# Allegro board 8880F5-0827_6.brd (continued)
## Nets (continued)
D32109: D321.09
D32110: D321.10 SITE1.32(RXD2P)
D32111: D321.11
D32112: D321.12 SITE1.33(RXD2N)
D32113: D321.13
D32114: D321.14 SITE1.35(RXD3P)
D32115: D321.15
D32116: D321.16 SITE1.36(RXD3N)
D32201: D322.01
D32202: D322.02
D32203: D322.03
D32204: D322.04
D32205: D322.05
D32206: D322.06
D32207: D322.07
D32208: D322.08
D32209: D322.09
D32210: D322.10
D32211: D322.11
D32212: D322.12
D32213: D322.13
D32214: D322.14
D32215: D322.15
D32216: D322.16
MSDPS1_1F: DPS1.C03
MSDPS1_1GRD: DPS1.B02
MSDPS1_1GS: DPS1.A02
MSDPS1_1S: DPS1.C02
MSDPS1_2F: DPS1.C07
MSDPS1_2GRD: DPS1.B06
MSDPS1_2GS: DPS1.A06
MSDPS1_2S: DPS1.C06
MSDPS1_3F: DPS1.C13
MSDPS1_3GRD: DPS1.B12
MSDPS1_3GS: DPS1.A12
MSDPS1_3S: DPS1.C12
MSDPS1_4F: DPS1.C17
MSDPS1_4GRD: DPS1.B16
MSDPS1_4GS: DPS1.A16
MSDPS1_4S: DPS1.C16
MSDPS1_5F: DPS1.A03
MSDPS1_5GS: DPS1.B01
MSDPS1_5S: DPS1.B03
MSDPS1_6F: DPS1.A07
MSDPS1_6GS: DPS1.B05
MSDPS1_6S: DPS1.B07
MSDPS1_7F: DPS1.A13
MSDPS1_7GS: DPS1.B11
MSDPS1_7S: DPS1.B13
MSDPS1_8F: DPS1.A17
MSDPS1_8GS: DPS1.B15
MSDPS1_8S: DPS1.B17
MSDPS1_TR+: DPS1.A09
MSDPS1_TRVB-: DPS1.B09 SB1.2
MSDPS1_VB+: DPS1.C09
MSDPS2_1F: DPS2.C03
MSDPS2_1GRD: DPS2.B02
MSDPS2_1GS: DPS2.A02
MSDPS2_1S: DPS2.C02
MSDPS2_2F: DPS2.C07
MSDPS2_2GRD: DPS2.B06
MSDPS2_2GS: DPS2.A06
MSDPS2_2S: DPS2.C06
MSDPS2_3F: DPS2.C13
MSDPS2_3GRD: DPS2.B12
MSDPS2_3GS: DPS2.A12
MSDPS2_3S: DPS2.C12
MSDPS2_4F: DPS2.C17
MSDPS2_4GRD: DPS2.B16
MSDPS2_4GS: DPS2.A16
MSDPS2_4S: DPS2.C16
MSDPS2_5F: DPS2.A03
MSDPS2_5GS: DPS2.B01
MSDPS2_5S: DPS2.B03
MSDPS2_6F: DPS2.A07
MSDPS2_6GS: DPS2.B05
MSDPS2_6S: DPS2.B07
MSDPS2_7F: DPS2.A13
MSDPS2_7GS: DPS2.B11
MSDPS2_7S: DPS2.B13
MSDPS2_8F: DPS2.A17
MSDPS2_8GS: DPS2.B15
MSDPS2_8S: DPS2.B17
MSDPS2_TR+: DPS2.A09
MSDPS2_TRVB-: DPS2.B09 SB2.2
MSDPS2_VB+: DPS2.C09
MSDPS3_1F: DPS3.C03
MSDPS3_1GRD: DPS3.B02
MSDPS3_1GS: DPS3.A02
MSDPS3_1S: DPS3.C02
MSDPS3_2F: DPS3.C07
MSDPS3_2GRD: DPS3.B06
MSDPS3_2GS: DPS3.A06
MSDPS3_2S: DPS3.C06
MSDPS3_3F: DPS3.C13
MSDPS3_3GRD: DPS3.B12
MSDPS3_3GS: DPS3.A12
MSDPS3_3S: DPS3.C12
MSDPS3_4F: DPS3.C17
MSDPS3_4GRD: DPS3.B16
MSDPS3_4GS: DPS3.A16
MSDPS3_4S: DPS3.C16
MSDPS3_5F: DPS3.A03
MSDPS3_5GS: DPS3.B01
MSDPS3_5S: DPS3.B03
MSDPS3_6F: DPS3.A07
MSDPS3_6GS: DPS3.B05
MSDPS3_6S: DPS3.B07
MSDPS3_7F: DPS3.A13
MSDPS3_7GS: DPS3.B11
MSDPS3_7S: DPS3.B13
MSDPS3_8F: DPS3.A17
MSDPS3_8GS: DPS3.B15
MSDPS3_8S: DPS3.B17
MSDPS3_TR+: DPS3.A09
MSDPS3_TRVB-: DPS3.B09 SB3.2
MSDPS3_VB+: DPS3.C09
MSDPS8_1F: DPS8.C03
MSDPS8_1GRD: DPS8.B02
MSDPS8_1GS: DPS8.A02
MSDPS8_1S: DPS8.C02
MSDPS8_2F: DPS8.C07
MSDPS8_2GRD: DPS8.B06
MSDPS8_2GS: DPS8.A06
MSDPS8_2S: DPS8.C06
MSDPS8_3F: DPS8.C13
MSDPS8_3GRD: DPS8.B12
MSDPS8_3GS: DPS8.A12
MSDPS8_3S: DPS8.C12
MSDPS8_4F: DPS8.C17
MSDPS8_4GRD: DPS8.B16
MSDPS8_4GS: DPS8.A16
MSDPS8_4S: DPS8.C16
MSDPS8_5F: DPS8.A03
MSDPS8_5GS: DPS8.B01
MSDPS8_5S: DPS8.B03
MSDPS8_6F: DPS8.A07
MSDPS8_6GS: DPS8.B05
MSDPS8_6S: DPS8.B07
MSDPS8_7F: DPS8.A13
MSDPS8_7GS: DPS8.B11
MSDPS8_7S: DPS8.B13
MSDPS8_8F: DPS8.A17
MSDPS8_8GS: DPS8.B15
MSDPS8_8S: DPS8.B17
MSDPS8_TR+: DPS8.A09
MSDPS8_TRVB-: DPS8.B09 SB8.2
MSDPS8_VB+: DPS8.C09
S1_1AUX+: K9.4 R129.1
S1_1AUX-: K9.5 R130.1
S1_1SPI_CSN: K15.5 K19.6
S1_1SPI_SCK: K15.4 K19.3
S1_1SPI_SDI: K14.5 K20.6
S1_1SPI_SDO: K14.4 K20.3
S1_1TX_100DCH001+: K43.6 R7.1
S1_1TX_100DCH001-: K43.3 R8.2
S1_1TX_100DCH002+: R9.1 SITE1.75(AML1P)
S1_1TX_100DCH002-: R10.2 SITE1.76(AML1N)
S1_1TX_100DCH003+: R11.1 SITE1.79(AML2P)
S1_1TX_100DCH003-: R12.2 SITE1.80(AML2N)
S1_1TX_100DCH004+: R13.1 SITE1.81(AMLCKP)
S1_1TX_100DCH004-: R14.2 SITE1.82(AMLCKN)
S1_1TX_100DCH005+: R15.1 SITE1.83(AML3P)
S1_1TX_100DCH005-: R16.2 SITE1.84(AML3N)
S1_1TX_100DCH006+: R17.1 SITE1.85(AML4P)
S1_1TX_100DCH006-: R18.2 SITE1.86(AML4N)
S1_1TX_100DCH007+: R19.1 SITE1.87(AML5P)
S1_1TX_100DCH007-: R20.2 SITE1.88(AML5N)
S1_2AUX+: C3.1 R1.2 R3.1 R129.2
S1_2AUX-: C4.1 R2.2 R4.2 R130.2
S1_2TX_100DCH001+: R21.1 SITE1.89(BML0P)
S1_2TX_100DCH001-: R22.2 SITE1.90(BML0N)
S1_2TX_100DCH002+: R23.1 SITE1.91(BML1P)
S1_2TX_100DCH002-: R24.2 SITE1.92(BML1N)
S1_2TX_100DCH003+: R25.1 SITE1.93(BML2P)
S1_2TX_100DCH003-: R26.2 SITE1.94(BML2N)
S1_2TX_100DCH004+: R27.1 SITE1.95(BMLCKP)
S1_2TX_100DCH004-: R28.2 SITE1.96(BMLCKN)
S1_2TX_100DCH005+: R29.1 SITE1.98(BML3P)
S1_2TX_100DCH005-: R30.2 SITE1.99(BML3N)
S1_2TX_100DCH006+: R31.1 SITE1.100(BML4P)
S1_2TX_100DCH006-: R32.2 SITE1.101(BML4N)
S1_2TX_100DCH007+: R33.1 SITE1.102(BML5P)
S1_2TX_100DCH007-: R34.2 SITE1.103(BML5N)
S1_3TX_100DCH002+: R37.1 SITE1.114(CML1P)
S1_3TX_100DCH002-: R38.2 SITE1.115(CML1N)
S1_3TX_100DCH003+: R39.1 SITE1.116(CML2P)
S1_3TX_100DCH003-: R40.2 SITE1.117(CML2N)
S1_3TX_100DCH004+: R41.1 SITE1.120(CMLCKP)
S1_3TX_100DCH004-: R42.2 SITE1.121(CMLCKN)
S1_3TX_100DCH005+: R67.1 SITE1.122(CML3P)
S1_3TX_100DCH005-: R68.2 SITE1.123(CML3N)
S1_3TX_100DCH006+: R69.1 SITE1.124(CML4P)
S1_3TX_100DCH006-: R70.2 SITE1.125(CML4N)
S1_3TX_100DCH007+: R71.1 SITE1.126(CML5P)
S1_3TX_100DCH007-: R72.2 SITE1.127(CML5N)
S1_4TX_100DCH001+: R73.1 SITE1.129(DML0P)
S1_4TX_100DCH001-: R74.2 SITE1.130(DML0N)
S1_4TX_100DCH002+: R75.1 SITE1.131(DML1P)
S1_4TX_100DCH002-: R76.2 SITE1.132(DML1N)
S1_4TX_100DCH003+: R77.1 SITE1.133(DML2P)
S1_4TX_100DCH003-: R78.2 SITE1.134(DML2N)
S1_4TX_100DCH004+: R79.1 SITE1.135(DMLCKP)
S1_4TX_100DCH004-: R80.2 SITE1.136(DMLCKN)
S1_4TX_100DCH005+: R43.1 SITE1.137(DML3P)
S1_4TX_100DCH005-: R44.2 SITE1.138(DML3N)
S1_4TX_100DCH006+: R63.1 SITE1.140(DML4P)
S1_4TX_100DCH006-: R64.2 SITE1.141(DML4N)
S1_4TX_100DCH007+: R100.1 SITE1.142(DML5P)
S1_4TX_100DCH007-: R101.2 SITE1.143(DML5N)
S1_AUX_100DCH001+: K9.2
S1_AUX_100DCH001-: K9.7
S1_AUX_100DCH002+: C3.2
S1_AUX_100DCH002-: C4.2
S1_AUXCH+: K9.3 K12.3 SITE1.21(AUXCHP)
S1_AUXCH-: K9.6 K12.6 SITE1.20(AUXCHN)
S1_AVDD11_RX: CA9.1 CA10.1 CC13.1 CD9.1 K37.9 SH10.1 SITE1.31(AVDD11_RX) TP_AVDD11_RX.1(TP)
S1_AVDD11_XTAL: CA32.1 CA33.1 CC26.1 CD16.1 K31.4 SH23.1 SITE1.105(AVDD11_XTAL) TP_AVDD11_XTAL.1(TP)
S1_AVDD18_RX: CA7.1 CA8.1 CC11.1 CD8.1 K37.4 SH7.1 SITE1.25(AVDD18_RX) TP_AVDD18_RX.1(TP)
S1_DCH041: SITE1.159(STV2)
S1_DCH042: SITE1.160(STV1)
S1_DCH043: SITE1.161(POL)
S1_DCH044: SITE1.163(TP1)
S1_DCH045: SITE1.164(DC_EN)
S1_DCH046: SITE1.165(H2POL)
S1_DCH047: SITE1.166(SQINV)
S1_DCH048: K18.7
S1_DCH049: K18.2
S1_DPS_F_001: CA19.1 CA20.1 R1.1 R4.1 SH20.1 TP_AUXVCC.1(TP)
S1_DPS_F_002: CA1.1 CA2.1 CC1.1 CC2.1 CD1.1 K34.4 SH1.1 SITE1.3(VDDA_33_LV) TP_VDDA_33_LV.1(TP)
S1_DPS_F_003: CA3.1 CA4.1 CC4.1 CC30.1 CC31.1 CC32.1 CC33.1 CC34.1 CC35.1 CC42.1 CD3.1 CD17.1 CD18.1 CD19.1 CD20.1 CD21.1 CD22.1 K34.9 R85.1 SH3.1 SITE1.17(VDD_IO_33-1) SITE1.37(VDD_IO_33-2) SITE1.63(VDD_IO_33-3) SITE1.71(VDD_IO_33-4) SITE1.107(VDD_IO_33-5) SITE1.145(VDD_IO_33-6) SITE1.162(VDD_IO_33-7) TP_VDD_IO_33.1(TP)
S1_DPS_F_006: CA17.1 CA18.1 CC25.1 CC40.1 CD15.1 K42.4 SH18.1 SITE1.72(VDD_TXREG_33_B) TP_VDD_TXREG_33_B.1(TP)
S1_DPS_F_007: CA11.1 CA12.1 CC15.1 CC16.1 CC27.1 CC28.1 CD10.1 CD11.1 K39.4 SH12.1 SITE1.78(VDDTXPST_11_B-1) SITE1.97(VDDTXPST_11_B-2) TP_VDDTXPST_11_B.1(TP)
S1_DPS_F_009: CA13.1 CA14.1 CC19.1 CC20.1 CD13.1 K40.4 SH14.1 SITE1.106(PLL_M_VDD33) TP_PLL_M_VDD33.1(TP)
S1_DPS_F_010: CA15.1 CA16.1 CC22.1 CC23.1 CD14.1 K40.9 SH16.1 SITE1.111(PLL_TX_VDD33) TP_PLL_TX_VDD33.1(TP)
S1_DPS_F_011: CA35.1 CA36.1 CC17.1 CC29.1 CC37.1 CC38.1 CD12.1 CD24.1 K39.9 SH25.1 SITE1.119(VDDTXPST_11_T-1) SITE1.139(VDDTXPST_11_T-2) TP_VDDTXPST_11_T.1(TP)
S1_DPS_F_012: CA38.1 CA39.1 CC39.1 CC41.1 CD25.1 K42.9 SH27.1 SITE1.144(VDD_TXREG_33_T) TP_VDD_TXREG_33_T.1(TP)
S1_DPS_F_013: C8.1 C9.1 CA30.1 CA31.1 R82.2 R83.1 R84.1 R87.2 R88.2 R89.2 R90.2 R91.2 R92.2 R94.2 R95.2 R96.2 R97.2 R98.2 R99.2 R119.1 R120.1 SH22.1 TP_VCC3V3.1(TP) U1.8(VCC) U2.8(VCC)
S1_DPS_FS_001: SH20.2
S1_DPS_FS_002: SH1.2
S1_DPS_FS_003: SH3.2
S1_DPS_FS_004: SH7.2
S1_DPS_FS_005: SH10.2
S1_DPS_FS_006: SH18.2
S1_DPS_FS_007: SH12.2
S1_DPS_FS_008: SH23.2
S1_DPS_FS_009: SH14.2
S1_DPS_FS_010: SH16.2
S1_DPS_FS_011: SH25.2
S1_DPS_FS_012: SH27.2
S1_DPS_FS_013: SH22.2
S1_DPS_GS_001: SH19.2
S1_DPS_GS_002: SH2.2
S1_DPS_GS_003: SH4.2
S1_DPS_GS_004: SH8.2
S1_DPS_GS_005: SH9.2
S1_DPS_GS_006: SH17.2
S1_DPS_GS_007: SH11.2
S1_DPS_GS_008: SH24.2
S1_DPS_GS_009: SH13.2
S1_DPS_GS_010: SH15.2
S1_DPS_GS_011: SH26.2
S1_DPS_GS_012: SH28.2
S1_DPS_GS_013: SH21.2
S1_ISP00+: K43.7 SITE1.73(AML0P)
S1_ISP00-: K43.2 SITE1.74(AML0N)
S1_ISP14+: K43.5 SITE1.112(CML0P)
S1_ISP14-: K43.4 SITE1.113(CML0N)
S1_ISP_1LOCK: K33.3 R118.2
S1_M_DPS_F_001: CA5.1 CA6.1 CC6.1 CC7.1 CC8.1 CC9.1 CC36.1 CD4.1 CD5.1 CD6.1 CD7.1 CD23.1 K36.4 K36.9 SH5.1 SITE1.22(VDDC_11-1) SITE1.39(VDDC_11-2) SITE1.64(VDDC_11-3) SITE1.104(VDDC_11-4) SITE1.147(VDDC_11-5) TP_VDDC_11.1(TP)
S1_M_DPS_FS_001: SH5.2
S1_M_DPS_GS_001: SH6.2
S1_PS9G_DCH001: SITE1.18(TEST)
S1_PS9G_DCH002: K10.3 S1_RST_N.1 SITE1.19(RESET_N)
S1_PS9G_DCH003: SITE1.24(HPD)
S1_PS9G_DCH004: SITE1.40(AGEN)
S1_PS9G_DCH005: SITE1.45(STV_IN)
S1_PS9G_DCH006: SITE1.46(EIO1)
S1_PS9G_DCH007: SITE1.47(EIO2)
S1_PS9G_DCH009: SITE1.49(PWMI)
S1_PS9G_DCH010: J4.2 K28.3 S1_I2C.1 SITE1.50(I2C_SCL)
S1_PS9G_DCH011: J5.2 K28.6 S1_I2C.2 SITE1.51(I2C_SDA)
S1_PS9G_DCH014: SITE1.54(LED_SPI_SIN_A)
S1_PS9G_DCH015: SITE1.55(LED_SPI_SCLK_A)
S1_PS9G_DCH022: SITE1.65(LED_SPI_SO_A)
S1_PS9G_DCH023: SITE1.66(LED_SPI_SO_B)
S1_PS9G_DCH027: SITE1.70(OSD_SPI_SDO)
S1_PS9G_DCH028: SITE1.77(NC_VDDTX_11_B)
S1_PS9G_DCH029: SITE1.118(NC_VDDTX_11_T)
S1_PS9G_DCH030: R118.1 SITE1.148(ISP_LOCK)
S1_PS9G_DCH035: SITE1.153(CLK6)
S1_PS9G_DCH036: SITE1.154(CLK5)
S1_PS9G_DCH037: SITE1.155(CLK4)
S1_PS9G_DCH038: SITE1.156(CLK3)
S1_PS9G_DCH039: SITE1.157(CLK2)
S1_PS9G_DCH040: SITE1.158(CLK1)
S1_RLY_001: K1.8(V-) K2.8(V-)
S1_RLY_003: K3.8(V-) K4.8(V-)
S1_RLY_005: K5.8(V-) K6.8(V-)
S1_RLY_007: K7.8(V-)
S1_RLY_008: K8.8(V-) K11.8(V-)
S1_RLY_009: K9.8(V-)
S1_RLY_010: K10.8(V-)
S1_RLY_012: K12.8(V-)
S1_RLY_013: K13.8(V-)
S1_RLY_014: K14.8(V-)
S1_RLY_015: K15.8(V-)
S1_RLY_016: K16.8(V-) K17.8(V-)
S1_RLY_018: K18.8(V-)
S1_RLY_019: K19.8(V-)
S1_RLY_020: K20.8(V-)
S1_RLY_021: K21.8(V-) K29.8(V-)
S1_RLY_022: K22.8(V-) K24.8(V-)
S1_RLY_023: K23.8(V-)
S1_RLY_025: K25.8(V-) K27.8(V-)
S1_RLY_026: K26.8(V-)
S1_RLY_028: K28.8(V-)
S1_RLY_030: K30.8(V-)
S1_RLY_031: K31.12(V-)
S1_RLY_033: K33.8(V-)
S1_RLY_034: K34.12(V-)
S1_RLY_036: K36.12(V-)
S1_RLY_037: K37.12(V-)
S1_RLY_039: K39.12(V-)
S1_RLY_040: K40.12(V-)
S1_RLY_042: K42.12(V-)
S1_RLY_043: K43.8(V-)
S1_SCAN_DCH008: SITE1.48(FAIL_FLAG_O)
S1_SCAN_DCH012: SITE1.52(LED_SPI_BLANK_A)
S1_SCAN_DCH013: SITE1.53(LED_SPI_GSCLK_A)
S1_SCAN_DCH016: SITE1.56(LED_SPI_XLAT_A)
S1_SCAN_DCH017: SITE1.57(LED_SPI_BLANK_B)
S1_SCAN_DCH018: SITE1.58(LED_SPI_GSCLK_B)
S1_SCAN_DCH019: SITE1.59(LED_SPI_SIN_B)
S1_SCAN_DCH020: SITE1.60(LED_SPI_SCLK_B)
S1_SCAN_DCH021: SITE1.61(LED_SPI_XLAT_B)
S1_SCAN_DCH024: K13.3 SITE1.67(OSD_SPI_SCK_I2CCLK)
S1_SCAN_DCH025: K13.6 SITE1.68(OSD_SPI_SDI_I2CDAT)
S1_SCAN_DCH026: SITE1.69(OSD_SPI_CSN)
S1_SCAN_DCH031: SITE1.149(OE2)
S1_SCAN_DCH032: SITE1.150(OE1)
S1_SCAN_DCH033: SITE1.151(CLK8)
S1_SCAN_DCH034: SITE1.152(CLK7)
S1_SCAN_DCH050: K15.2
S1_SCAN_DCH051: K15.7
S1_SCAN_DCH052: K14.2
S1_SCAN_DCH053: K14.7
S1_SPI_1_CSN: K19.7 R87.1 U1.1(CS#)
S1_SPI_1_SCK: K19.2 R91.1 U1.6(SCLK)
S1_SPI_1_SDI: K20.7 R127.1
S1_SPI_1_SDO: K20.2 R125.1
S1_SPI_2_CSN: K19.5 R94.1 U2.1(CS#)
S1_SPI_2_SCK: K19.4 R98.1 U2.6(SCLK)
S1_SPI_2_SDI: K20.5 R128.1
S1_SPI_2_SDO: K20.4 R126.1
S1_SPI_11_SDI: R88.1 R127.2 U1.2(SO)
S1_SPI_11_SDO: R92.1 R125.2 U1.5(SI)
S1_SPI_22_SDI: R95.1 R128.2 U2.2(SO)
S1_SPI_22_SDO: R99.1 R126.2 U2.5(SI)
S1_SPI_CSN: K15.6 SITE1.43(SPI_CSN)
S1_SPI_SCK: K15.3 SITE1.42(SPI_SCK)
S1_SPI_SDI: K14.6 SITE1.44(SPI_SDI)
S1_SPI_SDO: K14.3 SITE1.41(SPI_SDO)
S1_XTAL_IN: K18.3 SITE1.109(XTAL_IN) TP_XTAL_IN.1(TP)
S1_XTAL_OUT: K18.6 SITE1.110(XTAL_OUT) TP_XTAL_OUT.1(TP)
S2_1AUX+: UNK2K9.4 UNK2R129.1
S2_1AUX-: UNK2K9.5 UNK2R130.1
S2_1SPI_CSN: UNK2K15.5 UNK2K19.6
S2_1SPI_SCK: UNK2K15.4 UNK2K19.3
S2_1SPI_SDI: UNK2K14.5 UNK2K20.6
S2_1SPI_SDO: UNK2K14.4 UNK2K20.3
S2_1TX_100DCH001+: UNK2K43.6 UNK2R7.1
S2_1TX_100DCH001-: UNK2K43.3 UNK2R8.2
S2_1TX_100DCH002+: SITE2.75(AML1P) UNK2R9.1
S2_1TX_100DCH002-: SITE2.76(AML1N) UNK2R10.2
S2_1TX_100DCH003+: SITE2.79(AML2P) UNK2R11.1
S2_1TX_100DCH003-: SITE2.80(AML2N) UNK2R12.2
S2_1TX_100DCH004+: SITE2.81(AMLCKP) UNK2R13.1
S2_1TX_100DCH004-: SITE2.82(AMLCKN) UNK2R14.2
S2_1TX_100DCH005+: SITE2.83(AML3P) UNK2R15.1
S2_1TX_100DCH005-: SITE2.84(AML3N) UNK2R16.2
S2_1TX_100DCH006+: SITE2.85(AML4P) UNK2R17.1
S2_1TX_100DCH006-: SITE2.86(AML4N) UNK2R18.2
S2_1TX_100DCH007+: SITE2.87(AML5P) UNK2R19.1
S2_1TX_100DCH007-: SITE2.88(AML5N) UNK2R20.2
S2_2AUX+: UNK2C3.1 UNK2R1.2 UNK2R3.1 UNK2R129.2
S2_2AUX-: UNK2C4.1 UNK2R2.2 UNK2R4.2 UNK2R130.2
S2_2TX_100DCH001+: SITE2.89(BML0P) UNK2R21.1
S2_2TX_100DCH001-: SITE2.90(BML0N) UNK2R22.2
S2_2TX_100DCH002+: SITE2.91(BML1P) UNK2R23.1
S2_2TX_100DCH002-: SITE2.92(BML1N) UNK2R24.2
S2_2TX_100DCH003+: SITE2.93(BML2P) UNK2R25.1
S2_2TX_100DCH003-: SITE2.94(BML2N) UNK2R26.2
S2_2TX_100DCH004+: SITE2.95(BMLCKP) UNK2R27.1
S2_2TX_100DCH004-: SITE2.96(BMLCKN) UNK2R28.2
S2_2TX_100DCH005+: SITE2.98(BML3P) UNK2R29.1
S2_2TX_100DCH005-: SITE2.99(BML3N) UNK2R30.2
S2_2TX_100DCH006+: SITE2.100(BML4P) UNK2R31.1
S2_2TX_100DCH006-: SITE2.101(BML4N) UNK2R32.2
S2_2TX_100DCH007+: SITE2.102(BML5P) UNK2R33.1
S2_2TX_100DCH007-: SITE2.103(BML5N) UNK2R34.2
S2_3TX_100DCH002+: SITE2.114(CML1P) UNK2R37.1
S2_3TX_100DCH002-: SITE2.115(CML1N) UNK2R38.2
S2_3TX_100DCH003+: SITE2.116(CML2P) UNK2R39.1
S2_3TX_100DCH003-: SITE2.117(CML2N) UNK2R40.2
S2_3TX_100DCH004+: SITE2.120(CMLCKP) UNK2R41.1
S2_3TX_100DCH004-: SITE2.121(CMLCKN) UNK2R42.2
S2_3TX_100DCH005+: SITE2.122(CML3P) UNK2R67.1
S2_3TX_100DCH005-: SITE2.123(CML3N) UNK2R68.2
S2_3TX_100DCH006+: SITE2.124(CML4P) UNK2R69.1
S2_3TX_100DCH006-: SITE2.125(CML4N) UNK2R70.2
S2_3TX_100DCH007+: SITE2.126(CML5P) UNK2R71.1
S2_3TX_100DCH007-: SITE2.127(CML5N) UNK2R72.2
S2_4TX_100DCH001+: SITE2.129(DML0P) UNK2R73.1
S2_4TX_100DCH001-: SITE2.130(DML0N) UNK2R74.2
S2_4TX_100DCH002+: SITE2.131(DML1P) UNK2R75.1
S2_4TX_100DCH002-: SITE2.132(DML1N) UNK2R76.2
S2_4TX_100DCH003+: SITE2.133(DML2P) UNK2R77.1
S2_4TX_100DCH003-: SITE2.134(DML2N) UNK2R78.2
S2_4TX_100DCH004+: SITE2.135(DMLCKP) UNK2R79.1
S2_4TX_100DCH004-: SITE2.136(DMLCKN) UNK2R80.2
S2_4TX_100DCH005+: SITE2.137(DML3P) UNK2R43.1
S2_4TX_100DCH005-: SITE2.138(DML3N) UNK2R44.2
S2_4TX_100DCH006+: SITE2.140(DML4P) UNK2R63.1
S2_4TX_100DCH006-: SITE2.141(DML4N) UNK2R64.2
S2_4TX_100DCH007+: SITE2.142(DML5P) UNK2R100.1
S2_4TX_100DCH007-: SITE2.143(DML5N) UNK2R101.2
S2_AUX_100DCH001+: UNK2K9.2
S2_AUX_100DCH001-: UNK2K9.7
S2_AUX_100DCH002+: UNK2C3.2
S2_AUX_100DCH002-: UNK2C4.2
S2_AUXCH+: SITE2.21(AUXCHP) UNK2K9.3 UNK2K12.3
S2_AUXCH-: SITE2.20(AUXCHN) UNK2K9.6 UNK2K12.6
S2_AVDD11_RX: SITE2.31(AVDD11_RX) UNK2CA9.1 UNK2CA10.1 UNK2CC13.1 UNK2CD9.1 UNK2K37.9 UNK2SH10.1 UNK2TP_AVDD11_RX.1
S2_AVDD11_XTAL: SITE2.105(AVDD11_XTAL) UNK2CA32.1 UNK2CA33.1 UNK2CC26.1 UNK2CD16.1 UNK2K31.4 UNK2SH23.1 UNK2TP_AVDD11_XTAL.1
S2_AVDD18_RX: SITE2.25(AVDD18_RX) UNK2CA7.1 UNK2CA8.1 UNK2CC11.1 UNK2CD8.1 UNK2K37.4 UNK2SH7.1 UNK2TP_AVDD18_RX.1
S2_DCH041: SITE2.159(STV2)
S2_DCH042: SITE2.160(STV1)
S2_DCH043: SITE2.161(POL)
S2_DCH044: SITE2.163(TP1)
S2_DCH045: SITE2.164(DC_EN)
S2_DCH046: SITE2.165(H2POL)
S2_DCH047: SITE2.166(SQINV)
S2_DCH048: UNK2K18.7
S2_DCH049: UNK2K18.2
S2_DPS_F_001: UNK2CA19.1 UNK2CA20.1 UNK2R1.1 UNK2R4.1 UNK2SH20.1 UNK2TP_AUXVCC.1
S2_DPS_F_002: SITE2.3(VDDA_33_LV) UNK2CA1.1 UNK2CA2.1 UNK2CC1.1 UNK2CC2.1 UNK2CD1.1 UNK2K34.4 UNK2SH1.1 UNK2TP_VDDA_33_LV.1
S2_DPS_F_003: SITE2.17(VDD_IO_33-1) SITE2.37(VDD_IO_33-2) SITE2.63(VDD_IO_33-3) SITE2.71(VDD_IO_33-4) SITE2.107(VDD_IO_33-5) SITE2.145(VDD_IO_33-6) SITE2.162(VDD_IO_33-7) UNK2CA3.1 UNK2CA4.1 UNK2CC4.1 UNK2CC30.1 UNK2CC31.1 UNK2CC32.1 UNK2CC33.1 UNK2CC34.1 UNK2CC35.1 UNK2CC42.1 UNK2CD3.1 UNK2CD17.1 UNK2CD18.1 UNK2CD19.1 UNK2CD20.1 UNK2CD21.1 UNK2CD22.1 UNK2K34.9 UNK2R85.1 UNK2SH3.1 UNK2TP_VDD_IO_33.1
S2_DPS_F_006: SITE2.72(VDD_TXREG_33_B) UNK2CA17.1 UNK2CA18.1 UNK2CC25.1 UNK2CC40.1 UNK2CD15.1 UNK2K42.4 UNK2SH18.1 UNK2TP_VDD_TXREG_33_B.1
S2_DPS_F_007: SITE2.78(VDDTXPST_11_B-1) SITE2.97(VDDTXPST_11_B-2) UNK2CA11.1 UNK2CA12.1 UNK2CC15.1 UNK2CC16.1 UNK2CC27.1 UNK2CC28.1 UNK2CD10.1 UNK2CD11.1 UNK2K39.4 UNK2SH12.1 UNK2TP_VDDTXPST_11_B.1
S2_DPS_F_009: SITE2.106(PLL_M_VDD33) UNK2CA13.1 UNK2CA14.1 UNK2CC19.1 UNK2CC20.1 UNK2CD13.1 UNK2K40.4 UNK2SH14.1 UNK2TP_PLL_M_VDD33.1
S2_DPS_F_010: SITE2.111(PLL_TX_VDD33) UNK2CA15.1 UNK2CA16.1 UNK2CC22.1 UNK2CC23.1 UNK2CD14.1 UNK2K40.9 UNK2SH16.1 UNK2TP_PLL_TX_VDD33.1
S2_DPS_F_011: SITE2.119(VDDTXPST_11_T-1) SITE2.139(VDDTXPST_11_T-2) UNK2CA35.1 UNK2CA36.1 UNK2CC17.1 UNK2CC29.1 UNK2CC37.1 UNK2CC38.1 UNK2CD12.1 UNK2CD24.1 UNK2K39.9 UNK2SH25.1 UNK2TP_VDDTXPST_11_T.1
S2_DPS_F_012: SITE2.144(VDD_TXREG_33_T) UNK2CA38.1 UNK2CA39.1 UNK2CC39.1 UNK2CC41.1 UNK2CD25.1 UNK2K42.9 UNK2SH27.1 UNK2TP_VDD_TXREG_33_T.1
S2_DPS_F_013: UNK2C8.1 UNK2C9.1 UNK2CA30.1 UNK2CA31.1 UNK2R82.2 UNK2R83.1 UNK2R84.1 UNK2R87.2 UNK2R88.2 UNK2R89.2 UNK2R90.2 UNK2R91.2 UNK2R92.2 UNK2R94.2 UNK2R95.2 UNK2R96.2 UNK2R97.2 UNK2R98.2 UNK2R99.2 UNK2R119.1 UNK2R120.1 UNK2SH22.1 UNK2TP_VCC3V3.1 UNK2U1.8 UNK2U2.8
S2_DPS_FS_001: UNK2SH20.2
S2_DPS_FS_002: UNK2SH1.2
S2_DPS_FS_003: UNK2SH3.2
S2_DPS_FS_004: UNK2SH7.2
S2_DPS_FS_005: UNK2SH10.2
S2_DPS_FS_006: UNK2SH18.2
S2_DPS_FS_007: UNK2SH12.2
S2_DPS_FS_008: UNK2SH23.2
S2_DPS_FS_009: UNK2SH14.2
S2_DPS_FS_010: UNK2SH16.2
S2_DPS_FS_011: UNK2SH25.2
S2_DPS_FS_012: UNK2SH27.2
S2_DPS_FS_013: UNK2SH22.2
S2_DPS_GS_001: UNK2SH19.2
S2_DPS_GS_002: UNK2SH2.2
S2_DPS_GS_003: UNK2SH4.2
S2_DPS_GS_004: UNK2SH8.2
S2_DPS_GS_005: UNK2SH9.2
S2_DPS_GS_006: UNK2SH17.2
S2_DPS_GS_007: UNK2SH11.2
S2_DPS_GS_008: UNK2SH24.2
S2_DPS_GS_009: UNK2SH13.2
S2_DPS_GS_010: UNK2SH15.2
S2_DPS_GS_011: UNK2SH26.2
S2_DPS_GS_012: UNK2SH28.2
S2_DPS_GS_013: UNK2SH21.2
S2_ISP00+: SITE2.73(AML0P) UNK2K43.7
S2_ISP00-: SITE2.74(AML0N) UNK2K43.2
S2_ISP14+: SITE2.112(CML0P) UNK2K43.5
S2_ISP14-: SITE2.113(CML0N) UNK2K43.4
S2_ISP_1LOCK: UNK2K33.3 UNK2R118.2
S2_M_DPS_F_001: SITE2.22(VDDC_11-1) SITE2.39(VDDC_11-2) SITE2.64(VDDC_11-3) SITE2.104(VDDC_11-4) SITE2.147(VDDC_11-5) UNK2CA5.1 UNK2CA6.1 UNK2CC6.1 UNK2CC7.1 UNK2CC8.1 UNK2CC9.1 UNK2CC36.1 UNK2CD4.1 UNK2CD5.1 UNK2CD6.1 UNK2CD7.1 UNK2CD23.1 UNK2K36.4 UNK2K36.9 UNK2SH5.1 UNK2TP_VDDC_11.1
S2_M_DPS_FS_001: UNK2SH5.2
S2_M_DPS_GS_001: UNK2SH6.2
S2_PS9G_DCH001: SITE2.18(TEST)
S2_PS9G_DCH002: S2_RST_N.1 SITE2.19(RESET_N) UNK2K10.3
S2_PS9G_DCH003: SITE2.24(HPD)
S2_PS9G_DCH004: SITE2.40(AGEN)
S2_PS9G_DCH005: SITE2.45(STV_IN)
S2_PS9G_DCH006: SITE2.46(EIO1)
S2_PS9G_DCH007: SITE2.47(EIO2)
S2_PS9G_DCH009: SITE2.49(PWMI)
S2_PS9G_DCH010: S2_I2C.1 SITE2.50(I2C_SCL) UNK2J4.2 UNK2K28.3
S2_PS9G_DCH011: S2_I2C.2 SITE2.51(I2C_SDA) UNK2J5.2 UNK2K28.6
S2_PS9G_DCH014: SITE2.54(LED_SPI_SIN_A)
S2_PS9G_DCH015: SITE2.55(LED_SPI_SCLK_A)
S2_PS9G_DCH022: SITE2.65(LED_SPI_SO_A)
S2_PS9G_DCH023: SITE2.66(LED_SPI_SO_B)
S2_PS9G_DCH027: SITE2.70(OSD_SPI_SDO)
S2_PS9G_DCH028: SITE2.77(NC_VDDTX_11_B)
S2_PS9G_DCH029: SITE2.118(NC_VDDTX_11_T)
S2_PS9G_DCH030: SITE2.148(ISP_LOCK) UNK2R118.1
S2_PS9G_DCH035: SITE2.153(CLK6)
S2_PS9G_DCH036: SITE2.154(CLK5)
S2_PS9G_DCH037: SITE2.155(CLK4)
S2_PS9G_DCH038: SITE2.156(CLK3)
S2_PS9G_DCH039: SITE2.157(CLK2)
S2_PS9G_DCH040: SITE2.158(CLK1)
S2_RLY_001: UNK2K1.8 UNK2K2.8
S2_RLY_003: UNK2K3.8 UNK2K4.8
S2_RLY_005: UNK2K5.8 UNK2K6.8
S2_RLY_007: UNK2K7.8
S2_RLY_008: UNK2K8.8 UNK2K11.8
S2_RLY_009: UNK2K9.8
S2_RLY_010: UNK2K10.8
S2_RLY_012: UNK2K12.8
S2_RLY_013: UNK2K13.8
S2_RLY_014: UNK2K14.8
S2_RLY_015: UNK2K15.8
S2_RLY_016: UNK2K16.8 UNK2K17.8
S2_RLY_018: UNK2K18.8
S2_RLY_019: UNK2K19.8
S2_RLY_020: UNK2K20.8
S2_RLY_021: UNK2K21.8 UNK2K29.8
S2_RLY_022: UNK2K22.8 UNK2K24.8
S2_RLY_023: UNK2K23.8
S2_RLY_025: UNK2K25.8 UNK2K27.8
S2_RLY_026: UNK2K26.8
S2_RLY_028: UNK2K28.8
S2_RLY_030: UNK2K30.8
S2_RLY_031: UNK2K31.12
S2_RLY_033: UNK2K33.8
S2_RLY_034: UNK2K34.12
S2_RLY_036: UNK2K36.12
S2_RLY_037: UNK2K37.12
S2_RLY_039: UNK2K39.12
S2_RLY_040: UNK2K40.12
S2_RLY_042: UNK2K42.12
S2_RLY_043: UNK2K43.8
S2_SCAN_DCH008: SITE2.48(FAIL_FLAG_O)
S2_SCAN_DCH012: SITE2.52(LED_SPI_BLANK_A)
S2_SCAN_DCH013: SITE2.53(LED_SPI_GSCLK_A)
S2_SCAN_DCH016: SITE2.56(LED_SPI_XLAT_A)
S2_SCAN_DCH017: SITE2.57(LED_SPI_BLANK_B)
S2_SCAN_DCH018: SITE2.58(LED_SPI_GSCLK_B)
S2_SCAN_DCH019: SITE2.59(LED_SPI_SIN_B)
S2_SCAN_DCH020: SITE2.60(LED_SPI_SCLK_B)
S2_SCAN_DCH021: SITE2.61(LED_SPI_XLAT_B)
S2_SCAN_DCH024: SITE2.67(OSD_SPI_SCK_I2CCLK) UNK2K13.3
S2_SCAN_DCH025: SITE2.68(OSD_SPI_SDI_I2CDAT) UNK2K13.6
S2_SCAN_DCH026: SITE2.69(OSD_SPI_CSN)
S2_SCAN_DCH031: SITE2.149(OE2)
S2_SCAN_DCH032: SITE2.150(OE1)
S2_SCAN_DCH033: SITE2.151(CLK8)
S2_SCAN_DCH034: SITE2.152(CLK7)
S2_SCAN_DCH050: UNK2K15.2
S2_SCAN_DCH051: UNK2K15.7
S2_SCAN_DCH052: UNK2K14.2
S2_SCAN_DCH053: UNK2K14.7
S2_SPI_1_CSN: UNK2K19.7 UNK2R87.1 UNK2U1.1
S2_SPI_1_SCK: UNK2K19.2 UNK2R91.1 UNK2U1.6
S2_SPI_1_SDI: UNK2K20.7 UNK2R127.1
S2_SPI_1_SDO: UNK2K20.2 UNK2R125.1
S2_SPI_2_CSN: UNK2K19.5 UNK2R94.1 UNK2U2.1
S2_SPI_2_SCK: UNK2K19.4 UNK2R98.1 UNK2U2.6
S2_SPI_2_SDI: UNK2K20.5 UNK2R128.1
S2_SPI_2_SDO: UNK2K20.4 UNK2R126.1
S2_SPI_11_SDI: UNK2R88.1 UNK2R127.2 UNK2U1.2
S2_SPI_11_SDO: UNK2R92.1 UNK2R125.2 UNK2U1.5
S2_SPI_22_SDI: UNK2R95.1 UNK2R128.2 UNK2U2.2
S2_SPI_22_SDO: UNK2R99.1 UNK2R126.2 UNK2U2.5
S2_SPI_CSN: SITE2.43(SPI_CSN) UNK2K15.6
S2_SPI_SCK: SITE2.42(SPI_SCK) UNK2K15.3
S2_SPI_SDI: SITE2.44(SPI_SDI) UNK2K14.6
S2_SPI_SDO: SITE2.41(SPI_SDO) UNK2K14.3
S2_XTAL_IN: SITE2.109(XTAL_IN) UNK2K18.3 UNK2TP_XTAL_IN.1
S2_XTAL_OUT: SITE2.110(XTAL_OUT) UNK2K18.6 UNK2TP_XTAL_OUT.1
S3_1AUX+: UNK3K9.4 UNK3R129.1
S3_1AUX-: UNK3K9.5 UNK3R130.1
S3_1SPI_CSN: UNK3K15.5 UNK3K19.6
S3_1SPI_SCK: UNK3K15.4 UNK3K19.3
S3_1SPI_SDI: UNK3K14.5 UNK3K20.6
S3_1SPI_SDO: UNK3K14.4 UNK3K20.3
S3_1TX_100DCH001+: UNK3K43.6 UNK3R7.1
S3_1TX_100DCH001-: UNK3K43.3 UNK3R8.2
S3_1TX_100DCH002+: SITE3.75(AML1P) UNK3R9.1
S3_1TX_100DCH002-: SITE3.76(AML1N) UNK3R10.2
S3_1TX_100DCH003+: SITE3.79(AML2P) UNK3R11.1
S3_1TX_100DCH003-: SITE3.80(AML2N) UNK3R12.2
S3_1TX_100DCH004+: SITE3.81(AMLCKP) UNK3R13.1
S3_1TX_100DCH004-: SITE3.82(AMLCKN) UNK3R14.2
S3_1TX_100DCH005+: SITE3.83(AML3P) UNK3R15.1
S3_1TX_100DCH005-: SITE3.84(AML3N) UNK3R16.2
S3_1TX_100DCH006+: SITE3.85(AML4P) UNK3R17.1
S3_1TX_100DCH006-: SITE3.86(AML4N) UNK3R18.2
S3_1TX_100DCH007+: SITE3.87(AML5P) UNK3R19.1
S3_1TX_100DCH007-: SITE3.88(AML5N) UNK3R20.2
S3_2AUX+: UNK3C3.1 UNK3R1.2 UNK3R3.1 UNK3R129.2
S3_2AUX-: UNK3C4.1 UNK3R2.2 UNK3R4.2 UNK3R130.2
S3_2TX_100DCH001+: SITE3.89(BML0P) UNK3R21.1
S3_2TX_100DCH001-: SITE3.90(BML0N) UNK3R22.2
S3_2TX_100DCH002+: SITE3.91(BML1P) UNK3R23.1
S3_2TX_100DCH002-: SITE3.92(BML1N) UNK3R24.2
S3_2TX_100DCH003+: SITE3.93(BML2P) UNK3R25.1
S3_2TX_100DCH003-: SITE3.94(BML2N) UNK3R26.2
S3_2TX_100DCH004+: SITE3.95(BMLCKP) UNK3R27.1
S3_2TX_100DCH004-: SITE3.96(BMLCKN) UNK3R28.2
S3_2TX_100DCH005+: SITE3.98(BML3P) UNK3R29.1
S3_2TX_100DCH005-: SITE3.99(BML3N) UNK3R30.2
S3_2TX_100DCH006+: SITE3.100(BML4P) UNK3R31.1
S3_2TX_100DCH006-: SITE3.101(BML4N) UNK3R32.2
S3_2TX_100DCH007+: SITE3.102(BML5P) UNK3R33.1
S3_2TX_100DCH007-: SITE3.103(BML5N) UNK3R34.2
S3_3TX_100DCH002+: SITE3.114(CML1P) UNK3R37.1
S3_3TX_100DCH002-: SITE3.115(CML1N) UNK3R38.2
S3_3TX_100DCH003+: SITE3.116(CML2P) UNK3R39.1
S3_3TX_100DCH003-: SITE3.117(CML2N) UNK3R40.2
S3_3TX_100DCH004+: SITE3.120(CMLCKP) UNK3R41.1
S3_3TX_100DCH004-: SITE3.121(CMLCKN) UNK3R42.2
S3_3TX_100DCH005+: SITE3.122(CML3P) UNK3R67.1
S3_3TX_100DCH005-: SITE3.123(CML3N) UNK3R68.2
S3_3TX_100DCH006+: SITE3.124(CML4P) UNK3R69.1
S3_3TX_100DCH006-: SITE3.125(CML4N) UNK3R70.2
S3_3TX_100DCH007+: SITE3.126(CML5P) UNK3R71.1
S3_3TX_100DCH007-: SITE3.127(CML5N) UNK3R72.2
S3_4TX_100DCH001+: SITE3.129(DML0P) UNK3R73.1
S3_4TX_100DCH001-: SITE3.130(DML0N) UNK3R74.2
S3_4TX_100DCH002+: SITE3.131(DML1P) UNK3R75.1
S3_4TX_100DCH002-: SITE3.132(DML1N) UNK3R76.2
S3_4TX_100DCH003+: SITE3.133(DML2P) UNK3R77.1
S3_4TX_100DCH003-: SITE3.134(DML2N) UNK3R78.2
S3_4TX_100DCH004+: SITE3.135(DMLCKP) UNK3R79.1
S3_4TX_100DCH004-: SITE3.136(DMLCKN) UNK3R80.2
S3_4TX_100DCH005+: SITE3.137(DML3P) UNK3R43.1
S3_4TX_100DCH005-: SITE3.138(DML3N) UNK3R44.2
S3_4TX_100DCH006+: SITE3.140(DML4P) UNK3R63.1
S3_4TX_100DCH006-: SITE3.141(DML4N) UNK3R64.2
S3_4TX_100DCH007+: SITE3.142(DML5P) UNK3R100.1
S3_4TX_100DCH007-: SITE3.143(DML5N) UNK3R101.2
S3_AUX_100DCH001+: UNK3K9.2
S3_AUX_100DCH001-: UNK3K9.7
S3_AUX_100DCH002+: UNK3C3.2
S3_AUX_100DCH002-: UNK3C4.2
S3_AUXCH+: SITE3.21(AUXCHP) UNK3K9.3 UNK3K12.3
S3_AUXCH-: SITE3.20(AUXCHN) UNK3K9.6 UNK3K12.6
S3_AVDD11_RX: SITE3.31(AVDD11_RX) UNK3CA9.1 UNK3CA10.1 UNK3CC13.1 UNK3CD9.1 UNK3K37.9 UNK3SH10.1 UNK3TP_AVDD11_RX.1
S3_AVDD11_XTAL: SITE3.105(AVDD11_XTAL) UNK3CA32.1 UNK3CA33.1 UNK3CC26.1 UNK3CD16.1 UNK3K31.4 UNK3SH23.1 UNK3TP_AVDD11_XTAL.1
S3_AVDD18_RX: SITE3.25(AVDD18_RX) UNK3CA7.1 UNK3CA8.1 UNK3CC11.1 UNK3CD8.1 UNK3K37.4 UNK3SH7.1 UNK3TP_AVDD18_RX.1
S3_DCH041: SITE3.159(STV2)
S3_DCH042: SITE3.160(STV1)
S3_DCH043: SITE3.161(POL)
S3_DCH044: SITE3.163(TP1)
S3_DCH045: SITE3.164(DC_EN)
S3_DCH046: SITE3.165(H2POL)
S3_DCH047: SITE3.166(SQINV)
S3_DCH048: UNK3K18.7
S3_DCH049: UNK3K18.2
S3_DPS_F_001: UNK3CA19.1 UNK3CA20.1 UNK3R1.1 UNK3R4.1 UNK3SH20.1 UNK3TP_AUXVCC.1